# Altium PCB MiniPC.PcbDoc (part 19 of 23)
Units mm, origin at the board's own origin, x right, y up, seen from the top; angles counter-clockwise.
Board outline 175 x 155 mm, 16 copper layers (1_Top, 2_int1_(gnd), 3_int2_(power), 4_int3_(gnd), 5_int4_(sign), 6_int5_(power), 7_int6_(sign), 8_int7_(power), 9_int8_(gnd), 10_int9_(sign), 11_int10_(gnd), 12_int11_(sign), 13_int12_(gnd), 14_int13_(power), 15_int14_(gnd), 16_Bottom), stack 2.008 mm thick; 1046 components, 841 nets, 6010 pads, 4016 vias.
Unrouted connection lines stored in the file: 602.
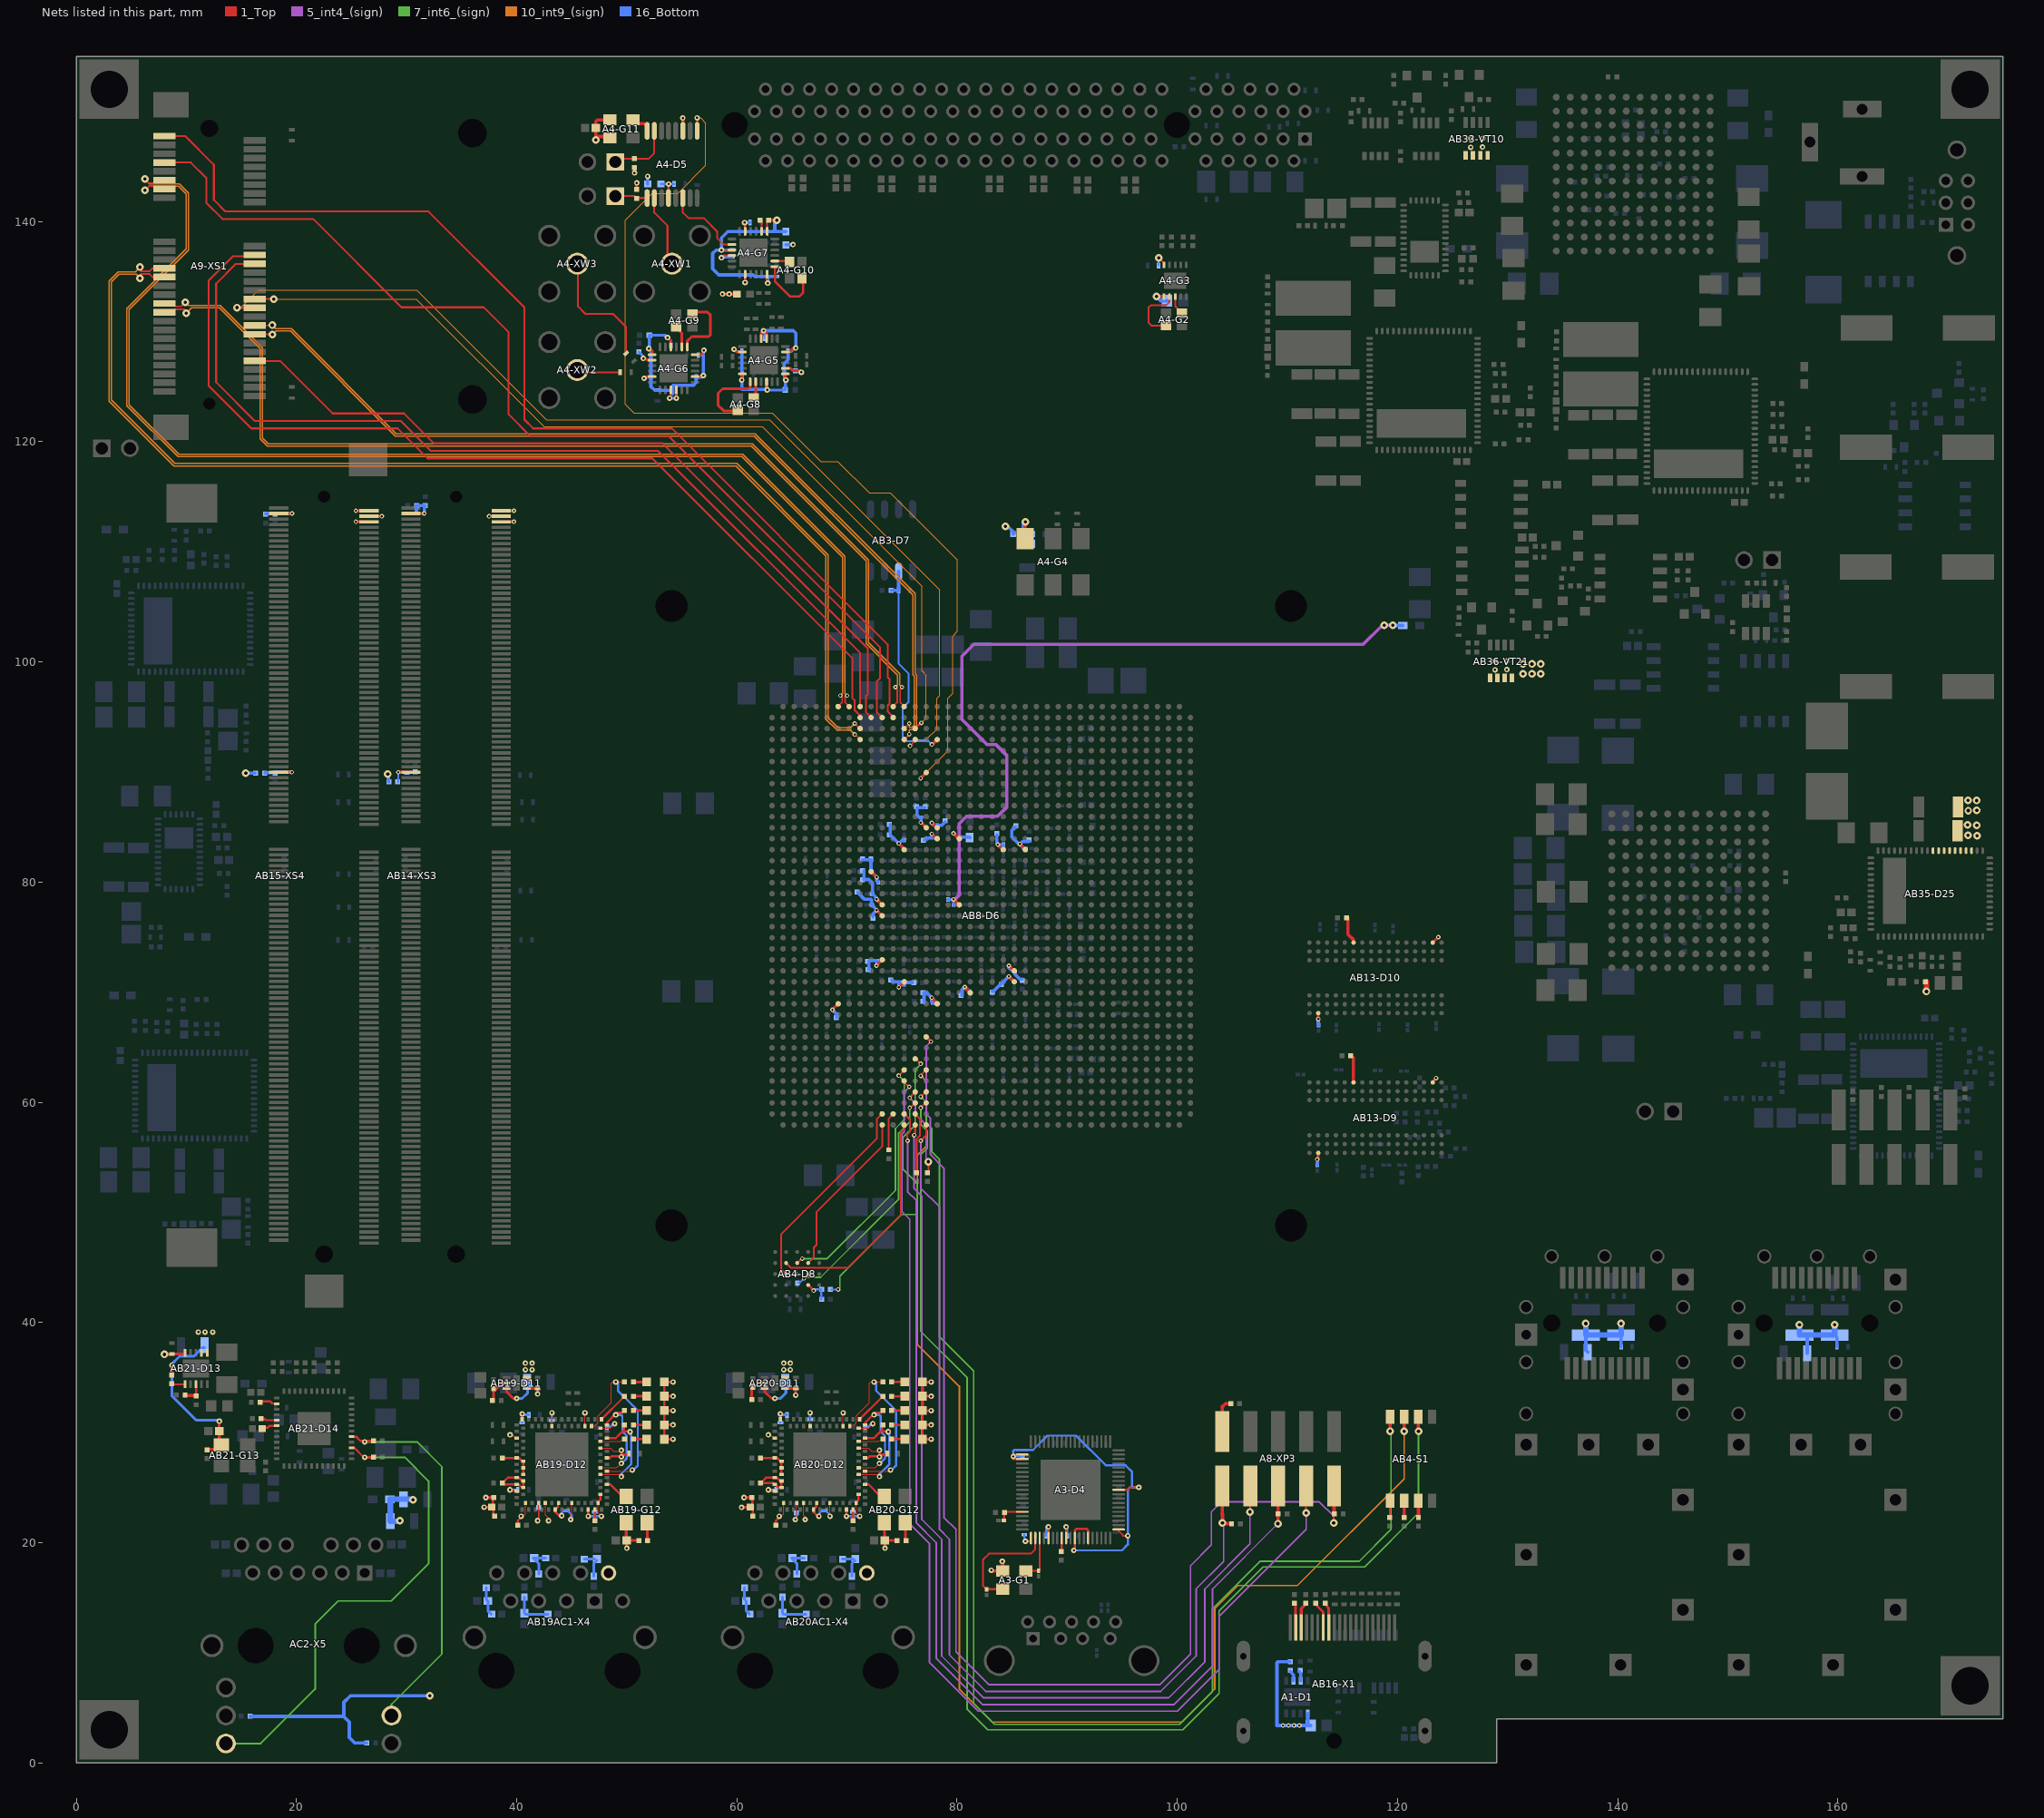
[diagram p33: the nets of this part, all layers, seen from the top]

## Via types
v1: diameter 0.4, hole 0.2, 1_Top to 16_Bottom, tented both sides, 1658 vias
v2: diameter 0.7, hole 0.3, 1_Top to 16_Bottom, tented both sides, 915 vias
v3: diameter 0.5, hole 0.2, 1_Top to 16_Bottom, tented both sides, 854 vias
v4: diameter 0.6, hole 0.2, 1_Top to 16_Bottom, 278 vias
v5: diameter 0.5, hole 0.2, 1_Top to 16_Bottom, 162 vias
v6: diameter 0.4, hole 0.2, 1_Top to 16_Bottom, 100 vias
v7: diameter 0.4/0/0/0/0/0/0/0/0/0/0/0/0/0/0/0.4 (per signal layer), hole 0.2, 1_Top to 16_Bottom, tented both sides, 18 vias
v8: diameter 0.4/0/0/0/0/0/0/0/0/0/0/0.4/0.4/0.4/0.4/0.4 (per signal layer), hole 0.2, 1_Top to 16_Bottom, tented both sides, 16 vias
v9: diameter 0.5, hole 0.254, 1_Top to 16_Bottom, 15 vias

## Nets (pads, with @x,y where several pads share a name; then routed paths per layer and width w, separated by ;. In a path a pad name is that pad's centre, name@x,y a point inside that pad or via, vN(x,y) a via of type N, cw(c..) or ccw(c..) an arc to the next point about the centre after c; other vN are vias at no path point) (continued)
IO_2V5: A3-G1.4 A4-C56.2 A4-D5.3 A4-G11.1 A4-G11.4 A4-L3.2 A4-L4.2 A4-L6.2 A4-R17.1 A4-R18.1 AB13-C347.2 AB13-C348.2 AB13-D9.B1 AB13-D9.R9 AB13-D10.B1 AB13-D10.R9 AB14-R85.1 AB14-XS3.255 AB14-XS3.257 AB14-XS3.259 AB15-R90.1 AB15-XS4.255 AB15-XS4.257 AB15-XS4.259 AB19-C375.2 AB19-C378.2 AB19-C380.2 AB19-C382.2 AB19-C384.2 AB19-C386.2 AB19-C389.2 AB19-C392.2 AB19-C396.2 AB19-C398.2 AB19-D11.3 AB19-D11.6 AB19-D12.A3 AB19-D12.A11 AB19-D12.A19 AB19-D12.A24 AB19-D12.A34 AB19-D12.A52 AB19-D12.B12 AB19-D12.B15 AB19-D12.B17 AB19-D12.B19 AB19-D12.B23 AB19-D12.B24 AB19-D12.B31 AB19-D12.B34 AB19-D12.B36 AB19-D12.B41 AB19-G12.4 AB19-R93.1 AB19-R96.2 AB19-R99.2 AB19-R102.2 AB19-R105.2 AB19-VD1.2 AB19-VD2.2 AB19-VD3.2 AB19-VD4.2 AB19-VD5.2 AB19AC1-X4.9 AB20-C375.2 AB20-C378.2 AB20-C380.2 AB20-C382.2 AB20-C384.2 AB20-C386.2 AB20-C389.2 AB20-C392.2 AB20-C396.2 AB20-C398.2 AB20-D11.3 AB20-D11.6 AB20-D12.A3 AB20-D12.A11 AB20-D12.A19 AB20-D12.A24 AB20-D12.A34 AB20-D12.A52 AB20-D12.B12 AB20-D12.B15 AB20-D12.B17 AB20-D12.B19 AB20-D12.B23 AB20-D12.B24 AB20-D12.B31 AB20-D12.B34 AB20-D12.B36 AB20-D12.B41 AB20-G12.4 AB20-R93.1 AB20-R96.2 AB20-R99.2 AB20-R102.2 AB20-R105.2 AB20-VD1.2 AB20-VD2.2 AB20-VD3.2 AB20-VD4.2 AB20-VD5.2 AB20AC1-X4.9 AB21-C401.2 AB21-C408.2 AB21-D13.1 AB21-D13.2 AB21-G13.4 AB21-R117.1 AB21-R118.1 AB36-VT21.5 AB36-VT21.6 AB36-VT21.7 AB36-VT21.8 | length 132.7
  1_Top w0.1: v3(39.4,29.8) 39.6,29.8 39.9,29.5 AB19-D12.A3@40,29.5 ; v3(40.4,22.4) 40.6,22.4 40.8,22.6 AB19-D12.B12@40.8,23.6 ; AB19-D12.B15@42.6,23.6 42.6,22.9 42.6,22.5 42.9,22.2 v3(42.9,22) ; AB19-D12.B41@43.2,30.6 v3(43.2,31.8) ; v3(44.9,22.1) 44.9,22.638 45,22.738 45,23.262 45,23.4 44.9,23.5 AB19-D12.B19@45,23.6 ; AB19-D12.B36@46.2,30.6 v3(46.2,31.8) ; AB19-D12.B23@47.4,23.6 47.4,23 47.4,22.7 v3(47.7,22.4) ; AB19-D12.B31@47.6,28.6 48.5,28.6 48.8,28.3 49.4,28.3 v3(49.5,28.4) ; AB19-D12.B34@47.6,30.4 48.5,30.4 v3(48.9,30.8) ; v3(62.85,29.8) 63.05,29.8 63.35,29.5 AB20-D12.A3@63.45,29.5 ; v3(63.85,22.4) 64.05,22.4 64.25,22.6 AB20-D12.B12@64.25,23.6 ; AB20-D12.B15@66.05,23.6 66.05,22.9 66.05,22.5 66.25,22.3 66.2,22.25 v3(66.2,22.1) ; AB20-D12.B41@66.65,30.6 v3(66.65,31.8) ; v3(68.45,22.4) AB20-D12.B19@68.45,23.6 ; AB20-D12.B36@69.65,30.6 v3(69.65,31.8) ; AB20-D12.B23@70.85,23.6 70.85,23 70.85,22.7 v3(71.15,22.4) ; AB20-D12.B31@71.05,28.6 71.95,28.6 72.25,28.3 72.85,28.3 v3(72.95,28.4) ; AB20-D12.B34@71.05,30.4 71.95,30.4 v3(72.35,30.8)
  1_Top w0.2: AB19-R102.2@37.75,23.225 37.75,23.45 37.825,23.375 AB19-R105.2@37.825,24.1 ; AB19-R102.2@37.875,23.1 37.875,22.525 AB19-R99.2@38,22.4 AB19-R99.2@38,22.3 ; v3@39.4,24.8 39.3,24.7 AB19-D12.A11@40,24.7 ; AB19-R96.2@40.1,21.6 40.1,22 v3@40.4,22.3 ; AB19-D12.A52@40.5,31.2 v3(40.5,31.7) ; AB19-D12.B17@43.8,23.6 43.75,23.55 43.75,23.25 AB19-D12.A19@43.5,23 43.5,22.8 43.9,22.4 43.95,22.45 v3(44.092,22.45) ; v3(46.5,22.4) AB19-D12.A24@46.5,23 ; AB19-D12.B23@47.4,23.7 47.6,23.9 AB19-D12.B24@47.6,24.4 ; AB19-D12.A34@48.2,27.7 48.464,27.7 48.614,27.85 v3@49.45,27.85 ; AB19-VD4.2@53.4,29.4 AB19-VD5.2@53.4,30.7 ; AB19-VD5.2@53.4,30.8 AB19-VD3.2@53.4,32 ; AB19-VD1.2@53.4,34.6 AB19-VD2.2@53.4,33.3 53.4,32.4 AB19-VD3.2@53.5,32.3 ; AB20-R105.2@61.4,24.1 61.4,23.25 61.45,23.2 AB20-R99.2@61.45,22.4 AB20-R99.2@61.45,22.3 ; v3@62.85,24.8 62.75,24.7 AB20-D12.A11@63.45,24.7 ; AB20-R96.2@63.55,21.6 63.55,22 v3@63.85,22.3 ; AB20-D12.A52@63.95,31.2 v3(63.95,31.7) ; 67.17,22.58 67.35,22.4 v3(67.45,22.4) ; 67.17,22.581 66.95,22.801 AB20-D12.A19@66.95,23 67.2,23.25 67.2,23.55 AB20-D12.B17@67.25,23.6 ; v3(69.95,22.4) AB20-D12.A24@69.95,23 ; AB20-D12.B23@70.85,23.7 71.05,23.9 AB20-D12.B24@71.05,24.4 ; AB20-D12.A34@71.65,27.7 71.914,27.7 72.064,27.85 v3@72.9,27.85 ; AB20-VD4.2@76.85,29.4 AB20-VD5.2@76.85,30.7 ; AB20-VD5.2@76.85,30.8 AB20-VD3.2@76.85,32
  1_Top w0.25: AB21-C408.2@12.987,30.125 12.987,31.035 v3(12.997,31.025) ; v1(25.398,112.725) AB15-XS4.255@26.6,112.725 ; v1(25.398,113.725) AB15-XS4.259@26.6,113.725 ; AB15-XS4.257@26.6,113.225 v1(27.75,113.225) ; v3(37.05,23.225) AB19-R102.2@37.75,23.225 AB19-R102.2@37.875,23.1 ; v3(37.2,24.1) 37.825,24.1 AB19-R105.2@37.925,24.1 ; v1(37.5,113.225) AB14-XS3.257@38.6,113.225 ; AB14-XS3.255@38.6,112.725 v1(39.75,112.725) ; AB14-XS3.259@38.6,113.725 v1(39.75,113.725) ; AB19-D11.6@39.075,34 39.075,33.725 39.7,33.1 v3(40,33.1) ; v3@49.5,27.9 v3(49.5,28.4) ; v3@49.6,27.9 49.7,28 50.1,28 AB19-C396.2@50.2,28.1 ; AB19-C375.2@49.9,20.2 AB19-C375.2@49.95,20.2 ; AB19-G12.4@49.95,21.8 AB19-C375.2@49.95,20.2 ; v3(50,19.5) 49.99,19.49 AB19-C375.2@49.99,20.2 ; AB19-R93.1@51.05,20.2 AB19-C375.2@49.99,20.2 ; AB19-VD4.2@53.4,29.4 v3(54.2,29.4) ; AB19-VD5.2@53.4,30.7 v3(54.2,30.7) ; AB19-VD3.2@53.4,32 54.3,32 v3(54.2,32) ; AB19-VD2.2@53.4,33.3 v3(54.2,33.3) ; AB19-VD1.2@53.4,34.6 54.3,34.6 v3(54.2,34.6) ; v3(60.425,23.2) AB20-R102.2@61.45,23.2 ; v3(60.65,24.1) AB20-R105.2@61.375,24.1 AB20-R105.2@61.4,24.1 ; AB20-D11.6@62.525,34 62.525,33.725 63.15,33.1 v3(63.45,33.1) ; v3@72.95,27.9 v3(72.95,28.4) ; v3@73.05,27.9 73.15,28 73.55,28 AB20-C396.2@73.65,28.1 ; AB20-C375.2@73.35,20.2 AB20-C375.2@73.4,20.2 ; AB20-G12.4@73.4,21.8 AB20-C375.2@73.4,20.2 ; v3(73.45,19.5) 73.44,19.49 AB20-C375.2@73.44,20.2 ; AB20-R93.1@74.5,20.2 AB20-C375.2@73.44,20.2 ; AB20-VD4.2@76.85,29.4 v3(77.65,29.4) ; AB20-VD5.2@76.85,30.7 v3(77.65,30.7) ; v3(77.65,32) 77.75,32 AB20-VD3.2@76.85,32 AB20-VD2.2@76.85,33.3 ; v3(77.65,33.3) AB20-VD2.2@76.85,33.3 ; v3(77.65,34.6) AB20-VD1.2@76.85,34.6 AB20-VD2.2@76.85,33.3 ; v1(112.7,54.8) 112.8,54.8 AB13-D9.B1@112.8,55.4 ; v1(112.8,67.55) AB13-D10.B1@112.8,68.1 ; AB13-D9.R9@123.2,61.8 123.2,61.9 v1(123.5,62.2) ; AB13-D10.R9@123.2,74.5 v1(123.7,75) ; AB19-C375.2@49.95,20.2 AB19-C375.2@49.99,20.2 ; AB20-C375.2@73.4,20.2 AB20-C375.2@73.44,20.2
  1_Top w0.3: AB21-R117.1@8.687,35.275 8.687,36.115 v3(8.697,36.125) ; AB21-R118.1@11.887,28.475 12.747,28.475 AB21-G13.4@13.197,28.925 ; AB21-C408.2@12.987,30.125 12.987,29.135 AB21-G13.4@13.097,29.025 ; v2(47.2,147.4) 47.19,147.41 A4-C56.2@47.19,148.5 47.19,149.09 47.325,149.225 A4-G11.4@48.45,149.225 ; v2@47.2,147.71 48.315,147.71 A4-G11.1@48.45,147.575 ; v3(50.7,144.4) A4-R18.1@50.7,144.9 ; A4-R17.1@50.9,142.9 v3(50.9,143.5) ; A4-D5.3@55.095,148.226 v3(55.095,149.395) ; v3(83.1,17.5) 83.175,17.425 A3-G1.4@84.15,17.425 84.15,18.25 v3(84.1,18.3)
  16_Bottom w0.2: v3(39.4,24.8) AB19-C389.2@40.1,24.8 ; AB19-C382.2@43.2,31.2 v3(43.2,31.8) ; v3@44,22.6 44.3,22.9 AB19-C392.2@44.5,22.9 44.6,22.9 45,22.5 45,22 v3(44.9,22.1) ; v3(46.5,22.4) 47.1,22.4 ; AB19-C398.2@47.1,22.8 47.1,22.4 ; v3(47.7,22.4) 47.1,22.4 ; v3(62.85,24.8) AB20-C386.2@63.55,24.8 ; AB20-C398.2@66.65,31.2 v3(66.65,31.8) ; v3@67.45,22.6 67.75,22.9 AB20-C389.2@67.95,22.9 68.05,22.9 v3@68.45,22.5 ; v3(69.95,22.4) 70.55,22.4 ; AB20-C392.2@70.55,22.8 70.55,22.4 ; v3(71.15,22.4) 70.55,22.4
  16_Bottom w0.25: v3@8.597,36.125 9.397,36.925 10.697,36.925 11.497,37.725 AB21-C401.2@11.672,37.725 ; v3(8.697,36.125) 8.697,33.325 10.897,31.125 12.897,31.125 v3(12.997,31.025) ; v3(40,33.1) 40.5,33.1 41,33.6 AB19-C378.2@41,34.4 ; AB19-C384.2@40.5,30.9 40.5,31.6 AB19-C380.2@41.1,31.6 ; AB19-C386.2@48.2,30.5 48.5,30.5 v3@48.9,30.9 ; v3(63.45,33.1) 63.95,33.1 64.45,33.6 AB20-C378.2@64.45,34.4 ; AB20-C382.2@63.95,30.9 63.95,31.6 AB20-C380.2@64.55,31.6 ; AB20-C384.2@71.65,30.5 71.95,30.5 v3@72.35,30.9
  16_Bottom w0.3: v2(15.4,89.9) AB15-R90.1@16.25,89.9 ; v2(28.3,89.8) 28.375,89.725 AB14-R85.1@28.375,89.1 ; A4-L6.2@51.9,143.4 v3(51.9,144.1) ; A4-L3.2@64.445,137.875 65.075,137.875 v3(65.1,137.9) ; v2(84.4,112.3) 84.589,112.3 85.189,111.7 A4-L4.2@85.089,111.6 ; v1(112.7,54.8) 112.725,54.775 AB13-C348.2@112.725,54.31 ; v1(112.8,67.55) 112.8,67.06 AB13-C347.2@112.85,67.01
  other v2: 131.4,98.9 132.2,98.9 133,98.9 131.4,99.8 132.2,99.8 133,99.8
  other v3: 49.5,27.8 72.95,27.8 40.8,35.7 41.4,35.7 64.25,35.7 64.85,35.7 40.8,36.3 41.4,36.3 64.25,36.3 64.85,36.3 11.097,39.125 11.697,39.125 12.397,39.125
  other v5: 128.85,99.275 129.925,99.3 128.85,100.082 129.95,100.082
IO_3V3: A1-C1.1 A1-D1.5 A1-R2.2 A3-C22.2 A3-C24.2 A3-C26.2 A3-D4.20 A3-D4.24 A3-D4.28 A4-C32.2 A4-C36.2 A4-G3.1 A4-G3.10 AB17-C370.2 AB17-C371.2 AB17-L9.1 AB17-L10.1 AB18-C370.2 AB18-C371.2 AB18-L9.1 AB18-L10.1 AB21-C402.2 AB21-C404.2 AB21-L12.1 AB33-VT10.5 AB33-VT10.6 AB33-VT10.7 AB33-VT10.8 AC2-R314.1 AC2-R315.1 | length 62.2
  1_Top w0.17: v2(98.3,136.7) 98.8,136.2 A4-G3.10@98.8,136.055
  1_Top w0.2: v3(86.2,20.125) 86.6,20.125 86.7,20.225 A3-D4.20@86.7,20.425 ; A3-D4.24@88.3,20.425 v3(88.3,21.425) ; A3-D4.28@89.9,20.425 v3(89.9,21.425)
  1_Top w0.3: v2(98.1,133.2) 98.125,133.175 A4-G3.1@98.8,133.175
  16_Bottom w0.17: A4-C32.2@98.3,136 v2(98.3,136.7)
  16_Bottom w0.2: A3-C22.2@86.1,20.725 86.1,20.425 v3@86.3,20.225 ; A3-C26.2@88.1,20.625 88.1,21.425 v3@88.2,21.525 ; v3@89.9,21.325 90,21.225 A3-C24.2@90,20.625
  16_Bottom w0.3: AC2-R315.1@15.787,4.225 24.275,4.225 ; AC2-R314.1@26.387,1.825 25.275,1.825 24.8,2.3 24.8,3.7 24.275,4.225 ; AB21-C404.2@28.475,22.247 AB21-C404.2@28.497,22.225 ; v2(32.1,6.1) 24.9,6.1 24.3,5.5 24.3,4.251 24.275,4.225 ; v2(98.1,133.2) 98.5,132.8 A4-C36.2@99.075,132.8 ; A1-R2.2@110.25,9.2 109.15,9.2 109.05,9.1 109.05,3.4 v1(109.6,3.4) A1-C1.1@111.85,3.4 ; A1-D1.5@111.85,4.5 A1-C1.1@111.85,3.4 ; A1-C1.1@112.125,3.4 A1-C1.1@111.85,3.4 ; AB17-L10.1@137.1,38.855 137.1,37.475 AB17-C371.2@137.275,37.3 ; AB17-C370.2@140.3,37.8 AB17-L9.1@140.3,38.855 ; AB18-C371.2@157.2,37.2 AB18-L10.1@157.2,38.855 ; AB18-L9.1@159.7,38.855 159.9,38.655 AB18-C370.2@159.9,37.8
  16_Bottom w0.5: v2(29.4,22) 29.35,21.95 AB21-C404.2@28.525,21.95 28.525,23.9 AB21-L12.1@28.475,23.95 AB21-C402.2@29.725,23.95 30.55,23.95 v2(30.599,23.9) ; v2(137.1,39.9) AB17-L10.1@137.1,38.855 AB17-L9.1@140.3,38.855 v2(140.3,39.9) ; v2(156.5,39.8) AB18-L10.1@156.5,38.855 157.2,38.855 AB18-L9.1@159.7,38.855 v2(159.7,39.8)
  other v1: 110.1,3.4 110.6,3.4 111.1,3.4
  other v5: 126.64,146.725 127.715,146.75 126.64,147.532 127.74,147.532
IO_5V: AB19-C379.2 AB19-D11.1 AB20-C379.2 AB20-D11.1 AB21-C403.2 AB21-D13.5 AB35-C533.2 AB35-C534.2 AB35-D25.17 AB35-D25.18 AB35-D25.19 AB35-D25.20 AB35-D25.21 AB35-D25.22 AB35-D25.23 AB35-D25.24 AB35-R299.2 | length 5.9
  1_Top w0.25: v2(8,37.1) 8.671,37.1 AB21-C403.2@8.697,37.125 9.762,37.125 AB21-D13.5@9.887,37.25 ; AB19-D11.1@40.925,34 AB19-C379.2@41.9,34 v3(41.9,33.5) ; AB20-D11.1@64.375,34 AB20-C379.2@65.35,34 v3(65.35,33.4)
  1_Top w0.5: v2(168.034,70.06) AB35-R299.2@168.034,70.95
  other v2: 172.62,84.22 171.8,84.25 172.61,85.16 171.78,85.18 171.83,86.49 172.61,86.5 171.8,87.42 172.59,87.4
JTAG_TCK: A8-R22.2 A8-XP3.1 AB8-D6.AW15 | length 91.9
  1_Top w0.17: v1(76.7,56.5) 77.194,56.994 AB8-D6.AW15@77.194,57.939
  1_Top w0.3: A8-XP3.1@104.08,25.15 104.08,22.645 104.06,22.625 104.1,22.585 v2(104.1,21.8) 104.175,21.725 A8-R22.2@104.925,21.725
  5_int4_(sign) w0.15: v1(76.7,56.5) 76.7,52.2 78.4,50.5 78.4,21.2 79.3,20.3 79.3,9.8 82.6,6.5 98.5,6.5 101.7,9.7 101.7,15.8 104.2,18.3 104.2,21.7 v2(104.1,21.8)
JTAG_TDI: A8-R20.2 A8-XP3.9 AB8-D6.AL15 | length 110.7
  1_Top w0.17: v2(114.2,21.8) 114.2,22.565 A8-R20.2@114.26,22.625
  1_Top w0.3: AB8-D6.AL15@77.194,65.939 v1(77.633,65.5) ; A8-XP3.9@114.24,25.15 114.24,22.645 A8-R20.2@114.26,22.625
  5_int4_(sign) w0.15: v1(77.633,65.5) 77.6,65.5 77.2,65.1 77.2,58.9 77.575,58.525 77.575,55.238 78.8,54.013 78.8,22.3 79.9,21.2 79.9,10.1 82.9,7.1 98.4,7.1 101.2,9.9 101.2,17.9 103.1,19.8 103.1,22.8 104,23.7 112.9,23.7 114.2,22.4 v2(114.2,21.8)
JTAG_TDO: A8-XP3.3 AB8-D6.AW14 | length 93.8
  1_Top w0.17: v1(76.1,57) 76.194,57.094 AB8-D6.AW14@76.194,57.939 ; v2(106.6,22.8) 106.62,22.82 A8-XP3.3@106.62,25.15
  5_int4_(sign) w0.15: v1(76.1,57) 76.1,52.15 76.8,51.45 76.8,22.1 78.6,20.3 78.6,9.7 82.4,5.9 99.2,5.9 102.5,9.2 102.5,15.8 106.6,19.9 v2(106.6,22.8)
JTAG_TMS: A8-R21.2 A8-XP3.5 AB8-D6.AV13 | length 97.9
  1_Top w0.17: AB8-D6.AV13@75.194,58.939 75.7,58.433 75.7,57.325 75.475,57.1 75.475,56.525 v1(75.5,56.5)
  1_Top w0.3: v2(109.13,21.73) 109.16,21.76 A8-R21.2@109.16,22.625 A8-XP3.5@109.16,25.15
  5_int4_(sign) w0.15: v1(75.5,56.5) 75.5,51.867 76.3,51.067 76.3,21.8 78.1,20 78.1,9.5 82.3,5.3 99.7,5.3 103.2,8.8 103.2,15.8 v2(109.13,21.73)
JTAG_TRST: A8-XP3.7 AB8-D6.AR13 | length 104
  1_Top w0.17: AB8-D6.AR13@75.194,61.939 75.194,61.806 75.6,61.4 v1(75.65,61.4) ; v2(111.7,22.7) A8-XP3.7@111.7,25.15
  5_int4_(sign) w0.15: v1(75.65,61.4) 75.194,60.944 75.194,57.294 74.997,57.097 75,57.094 75,50.075 75.7,49.375 75.7,21.7 77.5,19.9 77.5,9.1 81.9,4.7 100,4.7 103.8,8.5 103.8,13.3 111.7,21.2 v2(111.7,22.7)
MINI_PCIE_PER_N: A9-XS1.23 AB8-D6.D9 | length 106.5
  1_Top w0.1: v2@5.8,135.56 v2(5.8,135.85) ; AB8-D6.D9@71.161,92.939 AB8-D6.D9@71.194,92.939
  1_Top w0.15: v2@5.8,135.56 5.875,135.485 6.66,135.485 6.925,135.75 A9-XS1.23@8,135.75 ; v1(70.7,93.4) 70.733,93.4 AB8-D6.D9@71.194,92.939
  10_int9_(sign) w0.11: v2(5.8,135.85) 5.36,135.41 3.813,135.41 3,134.597 3,123.69 8.89,117.8 59.9,117.8 68.09,109.61 68.09,94.812 69.107,93.795 70.305,93.795 v1(70.7,93.4)
MINI_PCIE_PER_P: A9-XS1.25 AB8-D6.C9 | length 105.8
  1_Top w0.1: v2(5.8,134.85) v2@5.8,135.14 ; v1(70.7,94.4) v1@70.733,94.4
  1_Top w0.15: v2@5.8,135.14 5.875,135.215 6.66,135.215 6.925,134.95 A9-XS1.25@8,134.95 ; v1(70.7,94.4) 71.086,94.014 71.119,94.014 AB8-D6.C9@71.194,93.939
  10_int9_(sign) w0.11: v2(5.8,134.85) 5.45,135.2 3.9,135.2 3.21,134.51 3.21,123.777 8.977,118.01 59.987,118.01 68.3,109.697 68.3,94.899 69.194,94.005 70.305,94.005 v1(70.7,94.4)
MINI_PCIE_SMB_CLK: A9-XS1.30 AB8-D6.C14 | length 84.9
  1_Top w0.17: A9-XS1.30@16.2,132.95 v2(17.95,132.95) ; AB8-D6.C14@76.194,93.939 76.705,94.45 v1(76.75,94.45)
  10_int9_(sign) w0.1: v2(17.95,132.95) 30.875,132.95 42.475,121.35 62.3,121.35 76.8,106.85 76.8,99.966 76.8,99.634 76.8,99.192 77.194,98.798 77.194,94.894 v1(76.75,94.45)
MINI_PCIE_SMB_DATA: A9-XS1.32 AB8-D6.D14 | length 94
  1_Top w0.17: v2(14.6,132.175) 14.625,132.15 A9-XS1.32@16.2,132.15 ; v1(75.725,92.375) 76.194,92.844 AB8-D6.D14@76.194,92.939
  10_int9_(sign) w0.1: v2(14.6,132.175) 14.925,132.175 16.525,133.775 30.913,133.775 42.688,122 62.975,122 78.425,106.55 78.425,96.925 78.175,96.675 78.175,93.9 77.2,92.925 76.275,92.925 v1(75.725,92.375)
mini_PCIE_USB_D_N: A9-XS1.38 AB8-D6.C13 | length 83.3
  1_Top w0.15: A9-XS1.38@16.2,129.75 17.8,129.75 v2(17.825,129.725) ; AB8-D6.C13@75.194,93.939 75.65,94.395 v1(75.65,94.4)
  10_int9_(sign) w0.11: v2(17.825,129.725) 18.145,130.045 19.455,130.045 28.985,120.515 61.56,120.515 75.975,106.1 75.975,98.85 76.125,98.7 76.125,98.633 76.125,94.275 75.9,94.05 75.675,94.05 75.65,94.075 v1(75.65,94.4)
mini_PCIE_USB_D_P: A9-XS1.36 AB8-D6.D13 | length 84.1
  1_Top w0.15: A9-XS1.36@16.2,130.55 17.775,130.55 v2(17.8,130.575) ; AB8-D6.D13@75.194,92.939 75.65,93.395 v1(75.65,93.425)
  10_int9_(sign) w0.11: v2(17.8,130.575) 18.12,130.255 19.542,130.255 29.072,120.725 61.647,120.725 76.185,106.187 76.185,98.937 76.335,98.787 76.335,98.72 76.335,94.188 75.987,93.84 75.675,93.84 75.65,93.815 v1(75.65,93.425)
MINIPCIE_CLKREQ_L: A9-XS1.7 AB8-D6.B11 | length 95.6
  1_Top w0.17: A9-XS1.7@8,145.35 10.4,145.35 11.82,143.93 11.82,141.668 13.268,140.22 21.518,140.22 29.538,132.2 37,132.2 39.265,129.935 39.265,122.473 41.218,120.52 53.78,120.52 73.014,101.286 73.014,98.525 72.7,98.211 72.7,95.433 AB8-D6.B11@73.194,94.939
MINIPCIE_LED_WLAN_L: A9-XS1.44 AB8-D6.B10 | length 73.1
  1_Top w0.17: A9-XS1.44@16.2,127.35 16.25,127.3 18.55,127.3 23.29,122.56 29.763,122.56 32.483,119.84 53.26,119.84 71.9,101.2 71.9,97.067 71.733,96.9 71.733,95.4 AB8-D6.B10@72.194,94.939
MINIPCIE_PERST_L: A9-XS1.22 AB8-D6.A9 | length 86.7
  1_Top w0.17: A9-XS1.22@16.2,136.15 14.5,136.15 12.705,134.355 12.705,125.395 16.22,121.88 29.482,121.88 32.202,119.16 52.84,119.16 71.194,100.806 AB8-D6.A9@71.194,95.939
MINIPCIE_PET_N: A9-XS1.31 AB8-D6.A13 | length 93.5
  1_Top w0.1: v1@74.902,97.602 v1(75,97.7)
  1_Top w0.15: A9-XS1.31@8,132.55 8.75,132.55 9.015,132.285 9.535,132.285 v2(9.9,132.65) ; v1@74.902,97.602 74.829,97.529 74.829,96.304 AB8-D6.A13@75.194,95.939
  10_int9_(sign) w0.11: v2(9.9,132.65) 10.19,132.36 13.09,132.36 16.9,128.55 16.9,120.35 17.45,119.8 61.387,119.8 71.945,109.242 71.945,101.752 74.805,98.892 74.805,97.895 v1(75,97.7)
MINIPCIE_PET_P: A9-XS1.33 AB8-D6.A12 | length 93.4
  1_Top w0.1: v2(10,131.65) v2@10,131.84 ; v1(74.4,97.7) v1@74.505,97.595
  1_Top w0.15: A9-XS1.33@8,131.75 8.65,131.75 8.915,132.015 9.825,132.015 v2@10,131.84 ; AB8-D6.A12@74.194,95.939 74.559,96.304 74.559,97.541 v1@74.505,97.595
  10_int9_(sign) w0.11: v2@10,131.74 v2(10,131.65) 10.5,132.15 13.003,132.15 16.69,128.463 16.69,120.263 17.363,119.59 61.3,119.59 71.735,109.155 71.735,101.665 74.595,98.805 74.595,97.895 v1(74.4,97.7)
MINIPCIE_REFCLK_N: A9-XS1.11 AB8-D6.A8 | length 112.8
  1_Top w0.1: 69.804,96.9 69.843,96.939 v1(70,96.939)
  1_Top w0.15: v2(6.225,143.85) 6.59,143.485 6.985,143.485 7.25,143.75 A9-XS1.11@8,143.75 ; v1@69.829,96.9 69.829,96.304 AB8-D6.A8@70.194,95.939
  10_int9_(sign) w0.11: v2(6.225,143.85) 6.665,143.41 9.387,143.41 10.21,142.587 10.21,137.41 4.8,132 4.8,123.361 9.321,118.84 60.552,118.84 69.805,109.587 69.805,97.134 v1(70,96.939)
MINIPCIE_REFCLK_P: A9-XS1.13 AB8-D6.A7 | length 112.4
  1_Top w0.1: v1(69.4,96.939) 69.545,96.939 v1@69.584,96.9
  1_Top w0.15: v2(6.25,142.825) 6.25,142.84 6.625,143.215 6.985,143.215 7.25,142.95 A9-XS1.13@8,142.95 ; AB8-D6.A7@69.194,95.939 69.559,96.304 v1@69.559,96.9
  10_int9_(sign) w0.11: v2(6.25,142.825) 6.625,143.2 9.3,143.2 10,142.5 10,137.497 4.59,132.087 4.59,123.274 9.234,118.63 60.465,118.63 69.595,109.5 69.595,97.134 v1(69.4,96.939)
MINIPCIE_W_DISABLE_L: A9-XS1.20 AB8-D6.B9 | length 89.1
  1_Top w0.17: A9-XS1.20@16.2,136.95 16.08,136.83 14.218,136.83 12.025,134.637 12.025,125.075 15.9,121.2 29.2,121.2 31.92,118.48 52.32,118.48 70.5,100.3 70.5,96.7 70.7,96.5 70.7,95.6 71.194,95.106 AB8-D6.B9@71.194,94.939
MINIPCIE_WAKE_L: A9-XS1.1 AB8-D6.B12 | length 99.7
  1_Top w0.17: A9-XS1.1@8,147.75 9.9,147.75 12.5,145.15 12.5,141.95 13.55,140.9 32,140.9 40.7,132.2 40.7,122 41.5,121.2 54.1,121.2 73.694,101.606 73.694,98.603 73.86,98.436 73.86,96.207 73.7,96.047 73.7,95.5 74.194,95.006 AB8-D6.B12@74.194,94.939
NetA1-D1_2: A1-D1.2 A1-R2.1 | length 1
  16_Bottom w0.3: A1-R2.1@110.25,8.3 110.55,8 A1-D1.2@110.55,7.45
NetA1-D1_3: A1-D1.3 A1-R1.1 | length 0.9
  16_Bottom w0.3: A1-R1.1@111.05,8.3 111.2,8.15 A1-D1.3@111.2,7.45
NetA1-R3_2: A1-R3.2 AB16-X1.13 | length 2.2
  1_Top w0.25: A1-R3.2@113.45,14.4 113.45,14.35 113.75,14.05 AB16-X1.13@113.75,12.29
NetA1-R5_2: A1-R5.2 AB16-X1.19 | length 2.1
  1_Top w0.25: AB16-X1.19@110.75,12.29 A1-R5.2@110.75,14.4
NetA1-R6_2: A1-R6.2 AB16-X1.14 | length 2.4
  1_Top w0.25: A1-R6.2@112.55,14.4 113.25,13.7 AB16-X1.14@113.25,12.29
NetA1-R7_2: A1-R7.2 AB16-X1.18 | length 2.3
  1_Top w0.25: AB16-X1.18@111.25,12.29 111.25,14 A1-R7.2@111.65,14.4
NetA3-C16_2: A3-C16.2 A3-D4.15 A3-R9.2 | length 2.4
  1_Top w0.2: A3-C16.2@84.26,22.125 A3-R9.2@84.26,22.885 ; A3-R9.2@84.3,22.725 84.375,22.8 A3-D4.15@85.925,22.8
NetA3-C19_2: A3-C19.2 A3-D4.21 A3-G1.1 | length 10.5
  1_Top w0.17: A3-G1.1@84.15,15.775 82.69,15.775 A3-C19.2@82.675,15.76 82.335,16.1 82.335,18.435 82.9,19 86.7,19 87.1,19.4 A3-D4.21@87.1,20.425
NetA3-C21_2: A3-C21.2 A3-D4.22 A3-G1.3 | length 4.2
  1_Top w0.17: A3-G1.3@86.6,17.44 86.62,17.46 A3-C21.2@87.4,17.46 87.5,17.56 A3-D4.22@87.5,20.425
  1_Top w0.3: A3-G1.3@86.25,17.425 86.25,17.44 A3-G1.3@86.6,17.44
NetA3-C28_1: A3-C28.1 A3-D4.2 A3-D4.3 A3-D4.30 A3-D4.33 A3-D4.39 A3-D4.48 | length 35.4
  1_Top w0.17: A3-D4.39@94.675,21.2 94.675,21.05 95.1,20.625 v3(95.5,20.625) ; A3-D4.48@94.675,24.8 95.525,24.8 95.75,25.025 v3(96.5,25.025)
  1_Top w0.2: v3(85.1,27.825) 85.1,27.625 85.075,27.6 A3-D4.3@85.925,27.6 ; v3@85.225,28 A3-D4.2@85.925,28 ; v3(90.6,19.3) 90.675,19.3 90.7,19.325 A3-D4.30@90.7,20.425 90.7,21.125 90.825,21.25 91.645,21.25 91.775,21.25 91.9,21.125 A3-D4.33@91.9,20.425